# Altium PCB Copy of DIOT_SMA16_.PcbDoc (part 6 of 6)
Units mm, origin at the board's own origin, x right, y up, seen from the top; angles counter-clockwise.
Board outline 222.37 x 100 mm, 6 copper layers (TopLayer, MidLayer1, MidLayer2, Layer 1, Layer 2, Bottom Layer), stack 1.556 mm thick; 432 components, 301 nets, 1783 pads, 831 vias.
Unrouted connection lines stored in the file: 8.
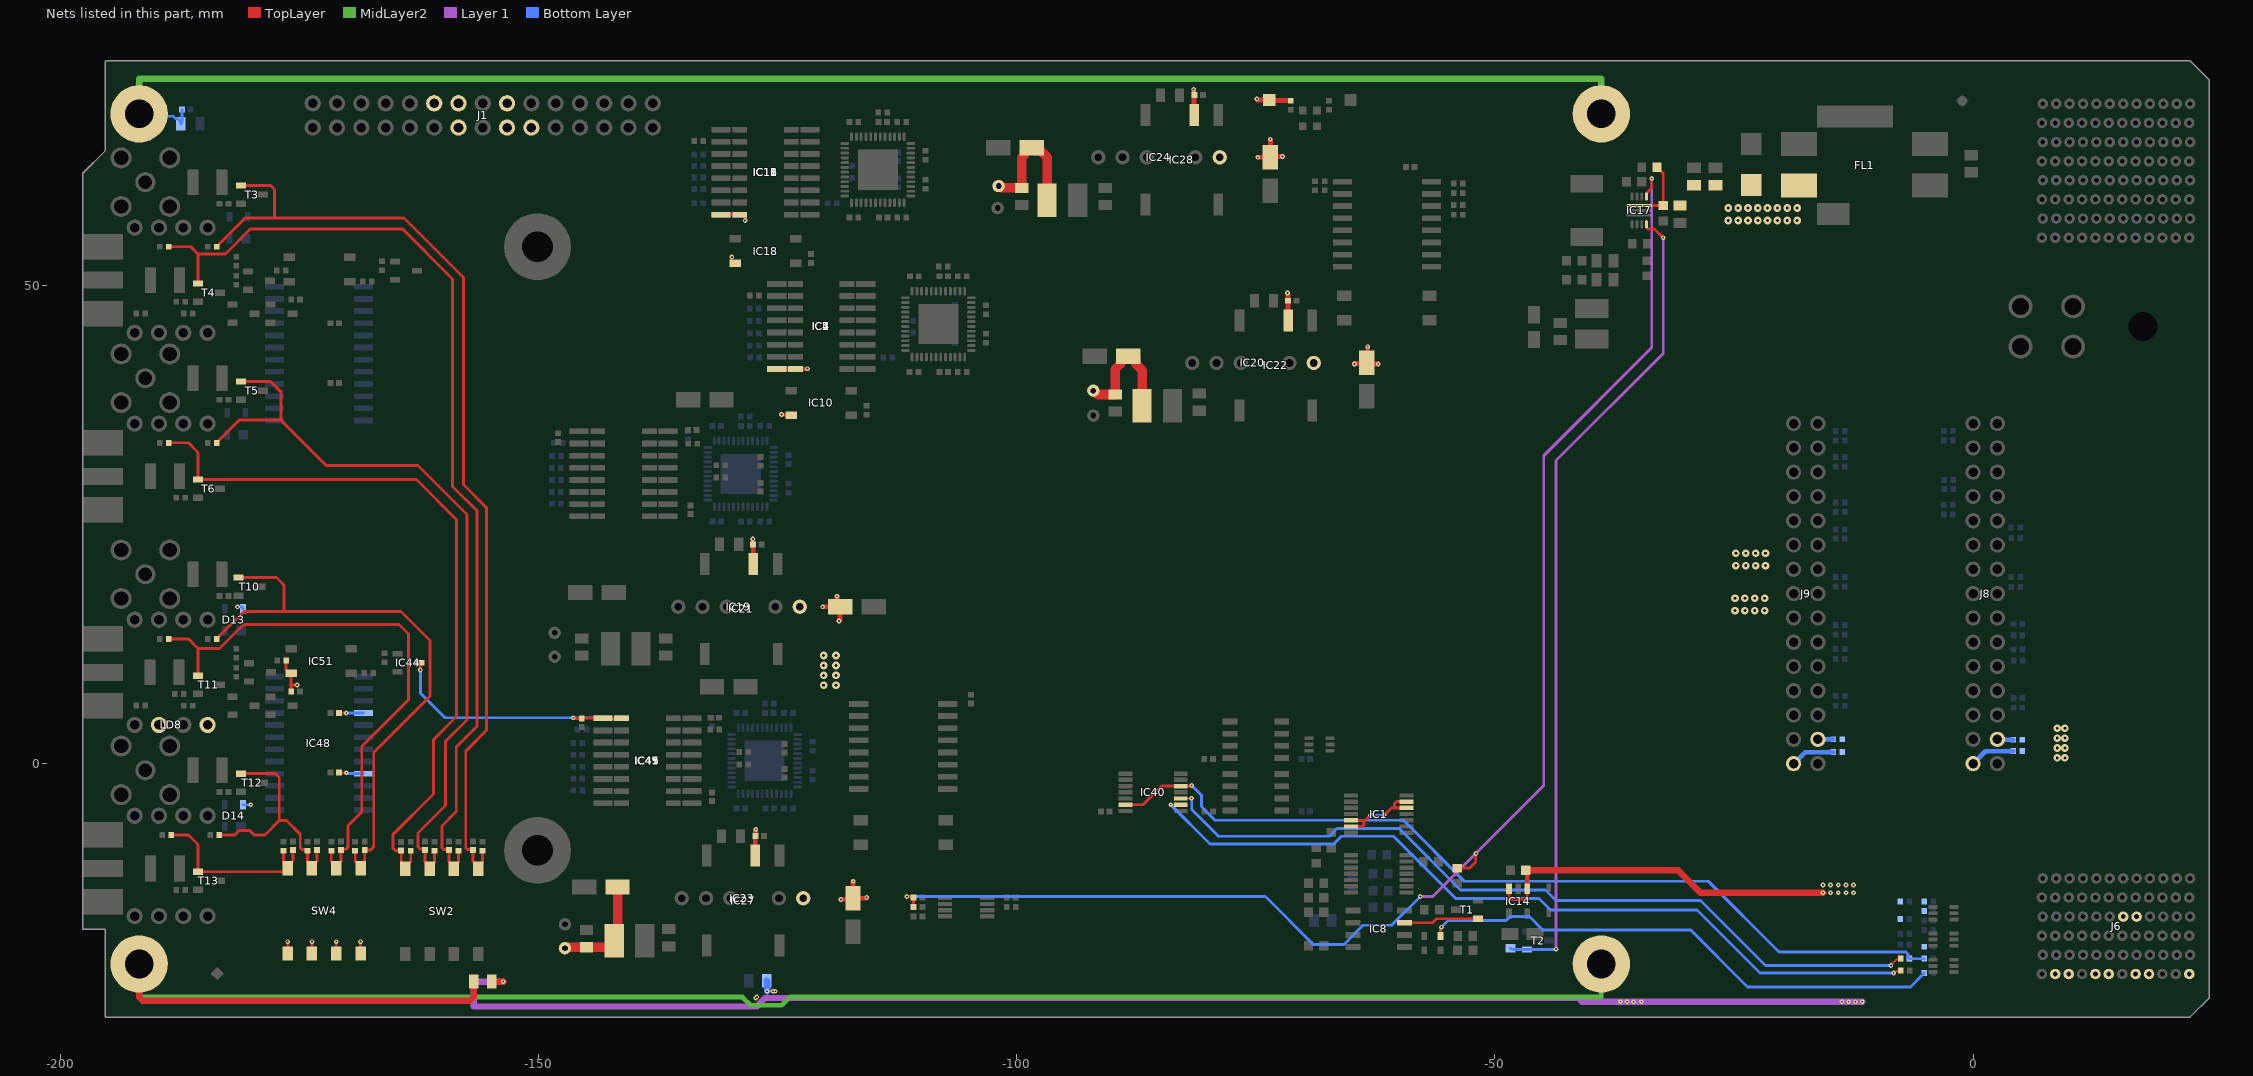
[diagram p10: the nets of this part, all layers, seen from the top]

## Via types
v1: diameter 0.5, hole 0.2, TopLayer to Bottom Layer, tented both sides, 731 vias
v2: diameter 0.8, hole 0.3, TopLayer to Bottom Layer, tented both sides, 100 vias

## Nets (pads, with @x,y where several pads share a name; then routed paths per layer and width w, separated by ;. In a path a pad name is that pad's centre, name@x,y a point inside that pad or via, vN(x,y) a via of type N, cw(c..) or ccw(c..) an arc to the next point about the centre after c; other vN are vias at no path point) (continued)
P5V0_ISO2: B7.1 C55.1 C60.2 C61.2 C62.2 C63.2 C64.1 C65.2 D13.4 D14.4 IC41.1 IC44.3 IC45.1 IC47.16 IC48.16 IC48.21 IC49.16 IC51.6 LD8.2 LD8.4 R189.2 SW4.1 SW4.2 SW4.3 SW4.4 | length 58.3
  TopLayer w0.3: R189.2@-176.403,10.8 -176.403,9.778 -176.08,9.455 IC51.6@-175.88,9.455 -175.88,7.55 C60.2@-175.873,7.55 -175.868,7.555 -175.868,8.23 v1(-175.254,8.23) ; SW4.1@-176.243,-19.85 v1(-176.243,-18.617) ; SW4.2@-173.703,-19.85 v1(-173.703,-18.617) ; SW4.3@-171.163,-19.85 v1(-171.163,-18.617) ; C63.2@-170.873,-0.95 v1(-170.123,-0.95) ; C62.2@-170.873,5.3 v1(-170.123,5.3) ; SW4.4@-168.623,-19.85 v1(-168.623,-18.617) ; IC44.3@-162.473,10.55 -162.407,10.484 -162.407,9.834 v1(-162.373,9.8) ; v1(-146.373,4.8) -146.281,4.708 C61.2@-145.493,4.708 -145.455,4.746 IC45.1@-143.267,4.746 IC41.1@-141.323,4.745
  TopLayer w1: B7.1@-147.25,-19.3 -147.169,-19.3 -147.069,-19.2 C65.2@-145,-19.2 -142.6,-19.2 -142.1,-18.7 C55.1@-142.1,-18.5 -141.75,-18.15 C64.1@-141.75,-12.9
  Bottom Layer w0.3: v1(-181.5,16.4) -181.073,16.4 -180.923,16.25 D13.4@-180.923,16.2 ; D14.4@-180.923,-4.3 v1(-180.1,-4.3) ; v1(-170.123,-0.95) -170.069,-0.95 -169.969,-1.05 IC48.21@-168.323,-1.05 ; v1(-170.123,5.3) IC48.16@-168.323,5.3 ; v1(-162.373,9.8) -162.373,7.373 -159.8,4.8 v1(-146.373,4.8) -143.328,4.8 IC49.16@-143.273,4.745 IC47.16@-141.323,4.745
P5V0_ISO3: B4.1 C35.1 C53.1 C54.2 IC2.1 IC4.1 IC5.16 IC7.16 IC10.6 J1.12 J1.13 J1.14 | length 20.8
  TopLayer w0.3: IC7.16@-125.099,41.272 IC5.16@-123.149,41.272 -121.928,41.272 v1(-121.9,41.3) ; v1(-124.6,36.5) -124.547,36.447 IC10.6@-123.599,36.447
  TopLayer w1: B4.1@-92,39 -91.919,39 -91.519,38.6 C54.2@-89.7,38.6 -89.7,41.25 -89.125,41.825 -89.125,42.3 -88.825,42.6 C53.1@-88.35,42.6 -87.875,42.6 -87.575,42.3 -87.575,41.825 -86.9,41.15 C35.1@-86.9,37.4
  Bottom Layer w0.3: IC4.1@-125.099,41.272 IC2.1@-123.149,41.272 -121.928,41.272 v1(-121.9,41.3)
P5V0_ISO4: B8.1 C56.1 C73.1 C74.2 IC11.1 IC12.1 IC15.16 IC16.16 IC18.6 J1.17 J1.18 J1.19 | length 20.9
  TopLayer w0.3: IC16.16@-130.926,57.405 IC15.16@-128.976,57.405 -128.55,57.405 -128.4,57.255 v1(-128.4,56.8) ; v1(-129.8,53) -129.796,52.996 -129.796,52.58 -129.546,52.33 IC18.6@-129.426,52.33
  TopLayer w1: B8.1@-101.9,60.4 -101.819,60.4 -101.619,60.2 C74.2@-99.5,60.2 -99.5,63.35 -99.225,63.625 -99.225,64.1 -98.925,64.4 C73.1@-98.45,64.4 -98.15,64.1 -97.5,64.1 -96.83,63.43 C56.1@-96.83,58.9
  Bottom Layer w0.3: IC12.1@-130.926,57.405 IC11.1@-128.976,57.405 -128.55,57.405 -128.4,57.255 v1(-128.4,56.8)
P12V0: C36.1 C37.2 C46.1 C47.2 C57.1 C58.2 C66.1 C67.2 C86.2 C87.2 C262.2 C263.2 D10.1 FL1.2 IC17.1 IC19.1 IC20.1 IC21.3 IC22.3 IC23.1 IC24.1 IC27.3 IC28.3 J8.28 J8.29 J9.28 J9.29 R154.1 R224.2 R257.2 R260.2 R261.2 R262.2 TP2.1 | length 52.1
  TopLayer w0.3: IC17.1@-34.9,58.35 C86.2@-32.4,58.35 -32.4,61.7 -32.7,62 -32.75,62 -33.05,62.3 R154.1@-33.05,62.35
  TopLayer w0.5: v1(-127.6,23.5) -127.6,22.947 C58.2@-127.578,22.925 -127.558,22.905 IC21.3@-127.558,20.875 ; IC27.3@-127.353,-9.625 -127.353,-7.605 C37.2@-127.323,-7.575 -127.309,-7.561 -127.309,-6.909 v1(-127.3,-6.9) ; v1(-120.3,16.4) C36.1@-118.45,16.4 ; v1(-118.8,17.5) -118.8,16.75 C36.1@-118.45,16.4 ; v1(-118.6,14.9) -118.5,15 -118.5,16.35 C36.1@-118.45,16.4 ; v1(-118.4,-14.2) -118.38,-14.18 -117.228,-14.18 C57.1@-117.123,-14.075 ; v1(-117.1,-12.3) -117.123,-12.323 C57.1@-117.123,-14.075 ; v1(-115.7,-14) -115.775,-14.075 C57.1@-117.123,-14.075 ; v1(-81.5,70.48) -81.5,70.236 -81.49,70.226 -81.49,69.96 C67.2@-81.43,69.9 -81.46,69.87 IC28.3@-81.46,67.85 ; v1(-74.9,69.5) -74.8,69.4 TP2.1@-73.6,69.4 -73.54,69.34 R224.2@-71.35,69.34 ; v1(-74.8,63.4) C66.1@-73.48,63.4 ; v1(-73.5,65.3) -73.48,65.28 C66.1@-73.48,63.4 ; v1(-72.2,63.5) -72.223,63.477 -73.403,63.477 C66.1@-73.48,63.4 ; v1(-71.7,49.2) -71.65,49.15 C47.2@-71.65,48.4 -71.63,48.38 IC22.3@-71.63,46.35 ; v1(-64.7,41.8) -64.657,41.843 -63.457,41.843 C46.1@-63.4,41.9 ; v1(-63.3,43.6) -63.3,42 C46.1@-63.4,41.9 ; v1(-62.2,41.8) -63.3,41.8 C46.1@-63.4,41.9
  Bottom Layer w0.5: J9.29@-18.77,-0.001 -17.569,1.2 R261.2@-14.6,1.2 ; J9.28@-16.23,2.539 -16.219,2.55 R262.2@-14.623,2.55 ; J8.29@0,0 1.3,1.3 R260.2@4.2,1.3 ; J8.28@2.54,2.54 2.58,2.5 R257.2@4.2,2.5
  other v2: -120.2,8.2 -118.9,8.2 -120.2,9.233 -118.9,9.233 -120.2,10.267 -118.9,10.267 -120.2,11.3 -118.9,11.3 -24.9,16 -23.867,16 -22.833,16 -21.8,16 -24.9,17.3 -23.867,17.3 -22.833,17.3 -21.8,17.3 -24.8,20.7 -23.767,20.7 -22.733,20.7 -21.7,20.7 -24.8,22 -23.767,22 -22.733,22 -21.7,22 -25.6,56.8 -24.567,56.8 -23.533,56.8 -22.5,56.8 -21.5,56.8 -20.467,56.8 -19.433,56.8 -18.4,56.8 -25.6,58.1 -24.567,58.1 -23.533,58.1 -22.5,58.1 -21.5,58.1 -20.467,58.1 -19.433,58.1 -18.4,58.1
P12V0_DIOT: C40.2 IC14.1 IC14.3 J6.A1 J6.D1 J6.E1 J6.G1 J6.H1 J6.J1 J6.K1 R257.1 R260.1 R261.1 R262.1 | length 37.9
  TopLayer w0.3: IC14.3@-48.525,-13.102 -48.525,-13.975 -48.3,-14.2 -46.801,-14.2 -46.625,-14.024 IC14.1@-46.625,-13.102
  TopLayer w0.5: C40.2@-46.775,-11.152 -46.625,-11.302 IC14.1@-46.625,-13.102
  TopLayer w0.7: C40.2@-46.775,-11.152 -30.848,-11.152 -28.5,-13.5 v1(-15.7,-13.5)
  other v1: -14.9,-13.5 -14.1,-13.5 -13.3,-13.5 -12.5,-13.5 -15.7,-12.7 -14.9,-12.7 -14.1,-12.7 -13.3,-12.7 -12.5,-12.7
  other v2: 8.8,0.6 9.6,0.6 8.8,1.633 9.6,1.633 8.8,2.667 9.6,2.667 8.8,3.7 9.6,3.7
PE_CLK_N: J6.F4
PE_CLK_P: J6.E4
PGOOD: IC17.7 R40.1 T2.1 | length 86.4
  TopLayer w0.3: IC17.7@-34.15,56.4 -34.15,56.076 -33.974,55.9 -33.3,55.9 v1(-32.4,55)
  Layer 1 w0.3: v1(-43.6,-19.4) -43.6,-13.035 -43.62,-13.015 -43.62,-12.585 -43.6,-12.565 -43.6,31.7 -32.4,42.9 v1(-32.4,55)
  Bottom Layer w0.3: R40.1@-48.375,-19.3 -48.225,-19.45 -43.704,-19.45 -43.654,-19.4 v1(-43.6,-19.4)
PSU_EN: IC17.8 R33.2 R187.1 R188.2 | length 150.7
  TopLayer w0.3: v1(-111.5,-13.9) -111.494,-13.906 -110.894,-13.906 R188.2@-110.8,-14 R187.1@-110.8,-15 ; R33.2@-53.95,-10.925 -52.625,-10.925 -52,-10.3 v1(-52,-9.4) ; IC17.8@-34.15,59.3 -34.15,59.65 -33.6,60.2 v1(-33.6,61.2)
  Layer 1 w0.3: v1(-57.8,-13.9) -56.5,-13.9 -44.9,-2.3 -44.9,32.2 -33.6,43.5 v1(-33.6,61.2)
  Bottom Layer w0.3: v1(-111.5,-13.9) -74,-13.9 -69,-18.9 -65.8,-18.9 -63.8,-16.9 -60.8,-16.9 v1(-57.8,-13.9)
RST: IC8.3 T1.1 | length 7.9
  TopLayer w0.3: IC8.3@-59.45,-16.64 -56.54,-16.64 -56.125,-16.225 T1.1@-51.75,-16.225
RSTn: D1.1 R133.1 | length 55.6
  TopLayer w0.3: D1.1@-55.7,-18.025 -55.7,-17.254 -55.6,-17.154 v1(-55.6,-17.1)
  Bottom Layer w0.3: v1(-55.6,-17.1) -54.9,-16.4 -48.8,-16.4 -48.4,-16 -46.4,-16 -45,-17.4 -29.527,-17.4 -23.574,-23.353 -6.553,-23.353 -5.26,-22.06 -5.24,-22.06 -5.1,-21.92 R133.1@-5.1,-21.9
SERVMOD: IC1.5 IC1.6 IC1.12 IC1.13 | length 10
  TopLayer w0.3: IC1.13@-65.05,-6.575 -63.875,-6.575 -63.7,-6.4 -63.7,-5.925 ; IC1.12@-65.05,-5.925 -63.7,-5.925 ; v1(-63,-5.4) -63.525,-5.925 -63.7,-5.925 ; v1(-61.6,-5.4) -60.825,-4.625 -60.5,-4.625 ; IC1.5@-59.25,-4.625 -60.5,-4.625 ; IC1.6@-59.25,-3.975 -60.275,-3.975 -60.5,-4.2 -60.5,-4.625
  Bottom Layer w0.3: v1(-63,-5.4) v1(-61.6,-5.4)
SERVMOD_3V3: IC40.5 IC40.13 R1.2 R138.1 | length 92.8
  TopLayer w0.3: IC40.13@-88.65,-4.3 -86.8,-4.3 -84.85,-2.35 IC40.5@-82.85,-2.35 -81.75,-2.35 v1(-81.7,-2.3)
  Bottom Layer w0.3: v1(-81.7,-2.3) -80.7,-3.3 -80.7,-4.5 -79.275,-5.925 -59.575,-5.925 -53.2,-12.3 -27.7,-12.3 -20.312,-19.688 -7.012,-19.688 -6.798,-19.902 -6.798,-20.262 R1.2@-6.66,-20.4 R138.1@-5.1,-20.4
SHARED_BUS_0: R137.1
SHARED_BUS_1: R139.1
SHARED_BUS_2: R135.1
SHARED_BUS_3: R132.1
SHARED_BUS_4: R134.1
STRIP1: C212.1 M1.1 M2.1 M3.1 M4.1 R120.2 R126.1 | length 367.4
  TopLayer w0.66: M4.1@-191.773,-20.95 -191.773,-24.413 -191.386,-24.8 -157.187,-24.8 -156.8,-24.413 R120.2@-156.8,-22.8
  MidLayer2 w0.5: M4.1@-191.773,-20.95 -191.773,-24.407 -128.693,-24.407 -127.83,-25.27 -124.57,-25.27 -123.7,-24.4 -38.873,-24.4 M1.1@-38.873,-20.95
  MidLayer2 w0.7: M3.1@-191.773,67.95 -191.773,71.623 -38.873,71.623 M2.1@-38.873,67.95
  Bottom Layer w0.3: M3.1@-191.773,67.95 -191.523,67.7 -188.225,67.7 -187.975,67.45 -187.75,67.45 -187.425,67.125 R126.1@-187.425,66.9 ; R126.1@-187.3,67.025 C212.1@-187.3,68.4
STRIP2: R119.1 | length 1.1
  Bottom Layer w0.7: R119.1@-126.15,-22.7 -126.1,-22.75 v1(-126.1,-23.8)
  other v1: -127.295,-24.505 -127.185,-24.395 -125.5,-23.8 -125.253,-23.8
STRIP3: R120.1 | length 152.6
  TopLayer w0.66: R120.1@-154.9,-22.8 v1(-153.7,-22.8)
  Layer 1 w0.66: v1(-153.7,-22.8) -156.8,-22.8 -156.8,-25.4 -127.2,-25.4 -126.3,-24.5 -41.3,-24.5 -40.9,-24.9 v1(-36.9,-24.9) v1(-36.2,-24.9) v1(-35.5,-24.9) v1(-12.3,-24.9) v1(-11.6,-24.9)
  other v1: -34.7,-24.9 -13.7,-24.9 -13,-24.9
Switch_I2C.SCL: IC40.2 R77.2 | length 85.5
  TopLayer w0.15: v1(-83.9,-4.3) IC40.2@-82.85,-4.3
  TopLayer w0.2: v1(-8.3,-21.9) -8.237,-21.9 -8.037,-21.7 -7.59,-21.7 R77.2@-7.54,-21.65
  Bottom Layer w0.3: v1(-83.9,-4.3) -79.8,-8.4 -66.847,-8.4 -66.047,-7.6 -60.6,-7.6 -54.1,-14.1 -45.4,-14.1 -44.2,-15.3 -28.868,-15.3 -22.268,-21.9 v1(-8.3,-21.9)
Switch_I2C.SDA: IC40.3 R3.2 | length 84.2
  TopLayer w0.15: IC40.3@-82.85,-3.65 -81.75,-3.65 v1(-81.718,-3.618)
  TopLayer w0.2: v1(-8.6,-21.1) -7.967,-20.467 -7.607,-20.467 R3.2@-7.54,-20.4
  Bottom Layer w0.3: v1(-81.718,-3.618) -81.7,-3.635 -81.7,-4.8 -78.9,-7.6 -67.3,-7.6 -66.5,-6.8 -60,-6.8 -53.6,-13.2 -44.7,-13.2 -43.6,-14.3 -28.5,-14.3 -21.7,-21.1 v1(-8.6,-21.1)
TERM_IO0: C75.2 R83.1 R96.1 SW2.5 T3.1 | length 103
  TopLayer w0.3: R83.1@-183.683,54.05 -180.683,57.05 -177.623,57.05 ; T3.1@-181.123,60.45 -178.023,60.45 -177.623,60.05 -177.623,57.05 ; R96.1@-155.873,-9.09 -155.873,-10.224 -155.913,-10.264 -155.913,-10.6 SW2.5@-156.313,-11 -156.313,-10.8 -156.873,-10.24 C75.2@-156.873,-9.05 -156.932,-8.991 -157.447,-8.991 -157.623,-8.815 -157.623,1.3 -155.439,3.484 -155.439,26.756 -157.875,29.192 -157.875,50.845 -164.08,57.05 -177.623,57.05
TERM_IO1: C76.2 R84.1 R95.1 SW2.6 T4.1 | length 103.3
  TopLayer w0.3: R84.1@-188.683,54.05 -186.373,54.05 -185.623,53.3 ; T4.1@-185.623,50.2 -185.623,53.3 ; SW2.6@-158.853,-11 SW2.6@-158.853,-10.8 ; R95.1@-158.373,-9.09 -158.373,-10.32 SW2.6@-158.853,-10.8 ; -185.623,53.3 -182.748,53.3 -180.123,55.925 -164.248,55.925 -158.998,50.675 -158.998,28.993 -156.457,26.452 -156.457,3.905 -158.621,1.741 -158.621,-5.015 -160.123,-6.517 -160.123,-8.815 -159.947,-8.991 -159.432,-8.991 C76.2@-159.373,-9.05 -159.373,-10.28 SW2.6@-158.853,-10.8
TERM_IO2: C77.2 R86.1 R94.1 SW2.7 T5.1 | length 80.7
  TopLayer w0.3: R86.1@-183.683,33.55 -181.308,35.925 -176.961,35.925 ; T5.1@-181.123,39.95 -178.023,39.95 -176.961,38.888 -176.961,35.925 ; SW2.7@-161.393,-11 SW2.7@-161.393,-10.8 ; R94.1@-160.873,-9.09 -160.873,-10.28 SW2.7@-161.393,-10.8 ; -176.961,35.925 -172.211,31.175 -162.623,31.175 -157.498,26.05 -157.498,4.575 -159.738,2.335 -159.738,-4.383 -162.623,-7.268 -162.623,-8.7 -162.401,-8.922 -162.001,-8.922 C77.2@-161.873,-9.05 -161.873,-10.32 SW2.7@-161.393,-10.8
TERM_IO3: C78.2 R89.1 R93.1 SW2.8 T6.1 | length 77.4
  TopLayer w0.3: R89.1@-188.683,33.55 -186.623,33.55 -185.623,32.55 T6.1@-185.623,29.7 -162.773,29.7 -158.578,25.505 -158.578,4.923 -160.997,2.504 -160.997,-3.187 -165.248,-7.438 -165.248,-8.825 -164.973,-9.1 C78.2@-164.373,-9.1 -164.373,-10.224 -164.333,-10.264 -164.333,-10.6 SW2.8@-163.933,-11 -163.933,-10.8 -163.373,-10.24 R93.1@-163.373,-9.09
TERM_IO4: C96.2 R160.1 R196.1 SW4.5 T10.1 | length 62.1
  TopLayer w0.3: R160.1@-183.683,13.05 -180.808,15.925 -176.623,15.925 ; T10.1@-181.373,19.45 -177.398,19.45 -176.623,18.675 -176.623,15.925 ; R196.1@-169.343,-8.93 -169.343,-8.95 -169.203,-9.09 R196.1@-169.183,-9.09 -169.183,-10.19 -168.623,-10.75 SW4.5@-168.623,-10.95 -168.223,-10.55 -168.223,-10.214 -168.183,-10.174 C96.2@-168.183,-9.05 -167.598,-9.05 -167.248,-8.7 -167.248,1.167 -161.366,7.049 -161.366,12.882 -164.409,15.925 -176.623,15.925
TERM_IO5: C97.2 R166.1 R195.1 SW4.6 T11.1 | length 59.7
  TopLayer w0.3: R166.1@-188.683,13.05 -186.623,13.05 -185.623,12.05 ; T11.1@-185.623,9.2 -185.623,12.05 ; R195.1@-171.823,-8.95 R195.1@-171.683,-9.09 -171.683,-10.23 SW4.6@-171.163,-10.75 ; SW4.6@-171.163,-10.95 SW4.6@-171.163,-10.75 ; -185.623,12.05 -183.373,12.05 -180.873,14.55 -164.616,14.55 -163.614,13.548 -163.614,6.673 -168.498,1.789 -168.498,-5.075 -169.954,-6.531 -169.954,-8.776 -170.129,-8.952 -170.585,-8.952 C97.2@-170.683,-9.05 -170.683,-10.27 SW4.6@-171.163,-10.75
TERM_IO6: C98.2 R179.1 R192.1 SW4.7 T12.1 | length 25
  TopLayer w0.3: R179.1@-183.403,-7.45 -181.785,-7.45 -181.315,-6.98 -180.204,-6.98 -179.734,-7.45 -178.623,-7.45 -177.123,-5.95 ; T12.1@-181.123,-1.05 -177.523,-1.05 -177.123,-1.45 -177.123,-5.95 ; SW4.7@-173.703,-10.95 SW4.7@-173.703,-10.75 ; C98.2@-173.183,-9.05 -173.183,-10.23 SW4.7@-173.703,-10.75 ; -177.123,-5.95 -176.373,-5.95 -174.933,-7.39 -174.933,-8.792 -174.757,-8.968 -174.305,-8.968 R192.1@-174.183,-9.09 -174.183,-10.27 SW4.7@-173.703,-10.75
TERM_IO7: C99.2 R182.1 R191.1 SW4.8 T13.1 | length 19.8
  TopLayer w0.3: R182.1@-188.433,-7.45 -186.623,-7.45 -185.623,-8.45 T13.1@-185.623,-11.3 -176.593,-11.3 SW4.8@-176.243,-10.95 ; R191.1@-176.683,-9.09 -176.683,-10.174 -176.643,-10.214 -176.643,-10.55 SW4.8@-176.243,-10.95 ; C99.2@-175.683,-9.05 -175.683,-10.19 -176.243,-10.75 SW4.8@-176.243,-10.95
pads on no net: D5.5 D6.5 D8.5 FTG1.FTG2 FTG2.1 FTG3.1 FTG4.1 IC2.7 IC3.17 IC3.44 IC4.7 IC5.7 IC5.15 IC7.7 IC9.13 IC11.7 IC12.7 IC13.17 IC13.44 IC14.4 IC15.7 IC15.15 IC16.7 IC16.14 IC19.5 IC20.5 IC21.14 IC22.14 IC23.5 IC24.5 IC25.7 IC26.7 IC27.14 IC28.14 IC31.7 IC32.17 IC32.44 IC34.7 IC36.7 IC37.7 IC38.13 IC41.7 IC42.1 IC42.2 IC42.3 IC42.7 IC43.1 IC43.2 IC43.3 IC43.7 IC45.7 IC46.17 IC46.44 IC47.7 IC49.7 J6.B1 J6.L2 J7.A3 J7.A5 J7.A7 J7.A8 J7.B2 J7.B3 J7.B4 J7.B5 J7.B6 J7.B7 J7.B8 J7.C2 J7.C4 J7.C6 J7.C8 J7.D3 J7.D5 J7.D7 J7.D8 J7.E2 J7.E3 J7.E4 J7.E5 J7.E6 J7.E7 J7.E8 J7.F2 J7.F4 J7.F6 J7.F8 J7.G3 J7.G5 J7.G7 J7.H2 J7.H3 J7.H4 J7.H5 J7.H6 J7.H7 J7.H8 J7.I2 J7.I4 J7.I6 J7.I8 J7.J3 J7.J5 J7.J7 J7.K2 J7.K3 J7.K4 J7.K5 J7.K6 J7.K7 J7.K8 J7.L2 J7.L4 J7.L6 J7.L8 J10.5 LD11.1 LD11.2
copper on no net:
  other v1: -118.401,57.6

## Polygon pours and split planes (outlines as drawn)
P3V3_MP on TopLayer "P3V3_MP_L01_P322" (solid, remove dead copper, pour order 322): -36.3,-5.1 -36.4,-5.2 -36.4,-6.4 -36.3,-6.5 -33.4,-6.5 -33.3,-6.4 -33.3,-5.2 -33.4,-5.1
P3V3_MP on TopLayer "P3V3_MP_L01_P320" (solid, remove dead copper, pour order 320): -36.3,36.9 -36.4,36.8 -36.4,35.6 -36.3,35.5 -33.4,35.5 -33.3,35.6 -33.3,36.8 -33.4,36.9
GND on TopLayer "TopLayer-GND" (solid, remove dead copper, pour order 318): -38.3,50 -37.7,49.4 -35.9,49.4 -34.8,50.5 -34.8,54.7 -35.4,55.3 -35.4,56.9 -35.3,57 -33.7,57 -28.9,52.2 -15.2,52.2 -11.9,55.5 -11.9,58.8 -14.2,61.1 -14.2,64.9 -13.5,65.6 -8.8,65.6 -8.2,66.2 -8.2,69.1 -9,69.9 -32,69.9 -37,64.9 -46.4,64.9 -47.6,63.7 -47.6,46.2 -47.2,45.8 -45.1,45.8 -44.7,45.4 -42.5,45.4 -42.3,45.6 -42.3,49.5 -41.9,49.9 -41.9,53.3 -42.4,53.8 -43.6,53.8 -44.1,54.3 -44.1,62.4 -43.7,62.8 -37.6,62.8 -36.7,61.9 -36.7,61.5 -35.8,61.5 -35.8,62.9 -35.1,63.6 -31.4,63.6 -31.4,61.9 -31.1,61.6 -25.8,61.6 -24.6,62.8 -16.1,62.8 -15.9,62.6 -15.9,59.3 -17.2,58 -17.2,56 -18.3,54.9 -26.1,54.9 -28.8,57.6 -36.7,57.6 -37,57.3 -37,55 -38.3,53.7
P12V0 on TopLayer "TopLayer-P12V0" (solid, remove dead copper, pour order 316): -33.5,58.2 -33.1,57.8 -28,57.8 -25.8,55.6 -18.6,55.6 -17.9,56.3 -17.9,58.5 -17.2,59.2 -16.3,59.2 -16.3,61.7 -16.6,62 -24.5,62 -25.4,61.1 -32.8,61.1 -33.2,60.7 -33.2,58.8 -33.3,58.7 -36.1,58.7 -36.3,58.5 -36.3,58.3 -36.2,58.2
P12V0 on TopLayer "P12V0_L01_P313" (solid, remove dead copper, pour order 313): -123,-15.9 -123.7,-15.2 -123.7,-13.5 -124.4,-12.8 -127.3,-12.8 -128,-12.1 -128,-8.5 -127.8,-8.3 -126.8,-8.3 -126.6,-8.5 -126.6,-11.2 -126.1,-11.7 -115.6,-11.7 -115,-12.3 -115,-15.3 -115.6,-15.9
P12V0 on TopLayer "P12V0_L01_P312" (solid, remove dead copper, pour order 312): -116.7,15.1 -117.5,14.3 -123.3,14.3 -123.9,14.9 -123.9,17.1 -124.6,17.8 -127.5,17.8 -128.3,18.6 -128.3,22 -128.1,22.2 -127.1,22.2 -126.8,21.9 -126.8,19.4 -126.3,18.9 -117.2,18.9 -116.7,18.4
P12V0 on TopLayer "P12V0_L01_P311" (solid, remove dead copper, pour order 311): -62.37,40.1 -69.47,40.1 -70.17,40.8 -70.17,42.4 -72.37,44.6 -72.37,47.5 -72.07,47.8 -71.07,47.8 -70.87,47.6 -70.87,44.6 -70.47,44.2 -62.17,44.2 -61.77,43.8 -61.77,40.7
P12V0 on TopLayer "P12V0_L01_P310" (solid, remove dead copper, pour order 310): -72.2,61.6 -79.3,61.6 -80,62.3 -80,63.9 -82.2,66.1 -82.2,69 -81.9,69.3 -80.9,69.3 -80.7,69.1 -80.7,66.1 -80.3,65.7 -72,65.7 -71.6,65.3 -71.6,62.2
P3V3 on TopLayer "P3V3_L01_P283" (solid, remove dead copper, pour order 283): -38,45.6 -41.6,45.6 -42.1,45.1 -44.8,45.1 -45.1,45.4 -50.8,45.4 -51.4,44.8 -51.4,40.8 -51,40.4 -39.5,40.4 -37.6,42.3 -37.6,45.2
P12V0_DIOT on TopLayer "P12V0_DIOT_L01_P266" (solid, remove dead copper, pour order 266): 8.5,0.1 9.7,0.1 10,0.4 10,3.9 9.8,4.1 8.4,4.1 8.3,4 8.3,0.3
NetC34_2 on TopLayer "NETC34_2_L01_P264" (solid, remove dead copper, pour order 264): -131.567,10.175 -131.967,9.775 -133.567,9.775 -134.067,10.275 -134.067,12.075 -134.467,12.475 -137.567,12.475 -137.767,12.275 -137.767,9.975 -138.067,9.675 -140.467,9.675 -140.867,10.075 -140.867,14.275 -137.467,17.675 -134.567,17.675 -134.167,17.275 -134.167,15.275 -133.567,14.675 -131.967,14.675 -131.567,14.275
NetC55_2 on TopLayer "NETC55_2_L01_P263" (solid, remove dead copper, pour order 263): -131.2,-20.3 -131.6,-20.7 -133.2,-20.7 -133.7,-20.2 -133.7,-18.4 -134.1,-18 -137.2,-18 -137.4,-18.2 -137.4,-20.5 -137.7,-20.8 -140.1,-20.8 -140.5,-20.4 -140.5,-16.2 -137.1,-12.8 -134.2,-12.8 -133.8,-13.2 -133.8,-15.2 -133.2,-15.8 -131.6,-15.8 -131.2,-16.2
3V3 on TopLayer "3V3_L01_P262" (solid, remove dead copper, pour order 262): -42.2,56.6 -38.4,56.6 -37.8,56 -37.8,54.6 -38.7,53.7 -38.7,50 -37.6,48.9 -37.6,46.6 -37.9,46.3 -41.8,46.3 -42.1,46.6 -42.1,49.1 -41.6,49.6 -41.6,53.3 -42.7,54.4 -42.7,56.1
NetC56_2 on TopLayer "NETC56_2_L01_P260" (solid, remove dead copper, pour order 260): -85.23,57.2 -85.73,56.7 -87.73,56.7 -88.03,57 -88.03,58.7 -88.83,59.5 -91.63,59.5 -91.93,59.2 -91.93,56.97 -92.5,56.4 -94.7,56.4 -95.2,56.9 -95.2,63.93 -94.03,65.1 -90.93,65.1 -90.2,64.37 -90.2,62.4 -89.7,61.9 -85.73,61.9 -85.23,61.4
NetC35_2 on TopLayer "NETC35_2_L01_P259" (solid, remove dead copper, pour order 259): -75.4,35.7 -75.9,35.2 -77.9,35.2 -78.2,35.5 -78.2,37.2 -79,38 -81.8,38 -82.1,37.7 -82.1,35.4 -82.5,35 -84.9,35 -85.3,35.4 -85.3,42.5 -84.2,43.6 -81.1,43.6 -80.3,42.8 -80.3,40.8 -79.9,40.4 -75.9,40.4 -75.4,39.9
NetIC17_2 on TopLayer "NETIC17_2_L01_P258" (solid, remove dead copper, pour order 258): -42.4,62.4 -38,62.4 -37.4,61.8 -37.4,59 -36.3,57.9 -36.5,57.7 -38.3,57.7 -39.5,58.9 -42.4,58.9 -42.9,59.4 -42.9,61.9
P12V0 on TopLayer "P12V0_L01_P255" (solid, remove dead copper, pour order 255): -25.1,22.6 -25.5,22.2 -25.5,20.5 -25.2,20.2 -21.3,20.2 -21.1,20.4 -21.1,22.2 -21.5,22.6
P12V0 on TopLayer "P12V0_L01_P254" (solid, remove dead copper, pour order 254): -25.2,17.9 -25.6,17.5 -25.6,15.8 -25.3,15.5 -21.4,15.5 -21.2,15.7 -21.2,17.5 -21.6,17.9
NetC264_1 on TopLayer "NETC264_1_L01_P249" (solid, remove dead copper, pour order 249): -6.4,62.85 3.6,62.85 4.1,63.35 4.1,66.95 3.6,67.45 -6.8,67.45 -7.2,67.05 -7.2,63.65
NetC264_2 on TopLayer "NETC264_2_L01_P248" (solid, remove dead copper, pour order 248): -6.4,62.4 3.6,62.4 4.1,61.9 4.1,58.3 3.6,57.8 -6.8,57.8 -7.2,58.2 -7.2,61.6
P12V0_DIOT on TopLayer "P12V0_DIOT_L01_P239" (solid, remove dead copper, pour order 239): -12.4,-14.1 -11.9,-13.6 -11.9,-12.2 -12.3,-11.8 -27.9,-11.8 -30,-9.7 -46,-9.7 -46.775,-10.475 -46.775,-11.152 -46.625,-11.302 -46.625,-12.202 -46.002,-12.202 -45.6,-11.8 -31.7,-11.8 -29.4,-14.1
no net on TopLayer "NONET_L01_P236" (solid, remove dead copper, pour order 236): 6.658,26.2 6.658,20.275 24.433,20.275 24.433,26.2
STRIP1 on TopLayer "esd1" (solid, pour order 171): -194.525,-19.425 -187.4,-19.425 -187.4,-23.95 -154.775,-23.95 -154.775,-25.45 -194.525,-25.45
STRIP2 on TopLayer "esd1" (solid, pour order 173): -111.842,-25.5 -94.775,-25.5 -94.775,-24.231 -149.775,-24.231 -149.775,-25.5
STRIP3 on TopLayer "STRIP3_L01_P172" (solid, pour order 172): 22.758,-25.5 22.775,-25.5 24.015,-24.26 -74.775,-24.26 -74.775,-25.5
P3V3_MP on Bottom Layer "P3V3_MP_L06_P321" (solid, remove dead copper, pour order 321): -36.3,-5.1 -36.4,-5.2 -36.4,-6.4 -36.3,-6.5 -33.4,-6.5 -33.3,-6.4 -33.3,-5.2 -33.4,-5.1
P3V3_MP on Bottom Layer "P3V3_MP_L06_P319" (solid, remove dead copper, pour order 319): -36.3,36.9 -36.4,36.8 -36.4,35.6 -36.3,35.5 -33.4,35.5 -33.3,35.6 -33.3,36.8 -33.4,36.9
P3V3 on Bottom Layer "P3V3_L06_P300" (solid, remove dead copper, pour order 300): -51.2,44.6 -51.2,41.2 -50.7,40.7 -47.6,40.7 -47.1,41.2 -47.1,44.6 -47.6,45.1 -50.7,45.1
P12V0 on Bottom Layer "P12V0_L06_P282" (solid, remove dead copper, pour order 282): -118.5,11.5 -118.5,8 -118.7,7.8 -120.4,7.8 -120.6,8 -120.6,11.5 -120.4,11.7 -118.7,11.7
P12V0 on Bottom Layer "P12V0_L06_P281" (solid, remove dead copper, pour order 281): -18.2,56.4 -21.7,56.4 -21.9,56.6 -21.9,58.3 -21.7,58.5 -18.2,58.5 -18,58.3 -18,56.6
P12V0 on Bottom Layer "P12V0_L06_P280" (solid, remove dead copper, pour order 280): -22.3,56.4 -25.8,56.4 -26,56.6 -26,58.3 -25.8,58.5 -22.3,58.5 -22.1,58.3 -22.1,56.6
NetC264_1 on Bottom Layer "NETC264_1_L06_P279" (solid, remove dead copper, pour order 279): 1.3,63.3 1.3,66.8 1.5,67 3.2,67 3.4,66.8 3.4,63.3 3.2,63.1 1.5,63.1
NetC264_2 on Bottom Layer "NETC264_2_L06_P278" (solid, remove dead copper, pour order 278): 1.3,58.4 1.3,61.9 1.5,62.1 3.2,62.1 3.4,61.9 3.4,58.4 3.2,58.2 1.5,58.2
P12V0 on Bottom Layer "P12V0_L06_P277" (solid, remove dead copper, pour order 277): -25,22.4 -21.5,22.4 -21.3,22.2 -21.3,20.5 -21.5,20.3 -25,20.3 -25.2,20.5 -25.2,22.2
P12V0 on Bottom Layer "P12V0_L06_P276" (solid, remove dead copper, pour order 276): -25.1,17.7 -21.6,17.7 -21.4,17.5 -21.4,15.8 -21.6,15.6 -25.1,15.6 -25.3,15.8 -25.3,17.5
P12V0_DIOT on Bottom Layer "P12V0_DIOT_L06_P238" (solid, remove dead copper, pour order 238): 4.8,0.4 5.1,0.1 9.8,0.1 10.1,0.4 10.1,3.8 9.4,4.5 5,4.5 4.8,4.3
P12V0_DIOT on Bottom Layer "P12V0_DIOT_L06_P237" (solid, remove dead copper, pour order 237): -14,-0.3 -16.7,-3 -16.7,-13.6 -16.2,-14.1 -12.4,-14.1 -11.9,-13.6 -11.9,3.4 -12.3,3.8 -13.6,3.8 -14,3.4
no net on Bottom Layer "NONET_L06_P234" (solid, remove dead copper, pour order 234): 6.658,26.2 6.658,20.275 24.433,20.275 24.433,26.2
STRIP3 on Bottom Layer "STRIP3_L06_P175" (solid, pour order 175): 22.758,-25.5 22.775,-25.5 24.015,-24.26 -74.775,-24.26 -74.775,-25.5
STRIP2 on Bottom Layer "esd1" (solid, pour order 176): -111.842,-25.5 -94.775,-25.5 -94.775,-24.231 -150.4,-24.231 -150.4,-25.5
STRIP1 on Bottom Layer "esd1" (solid, pour order 147): -194.525,-20.01 -187.4,-20.01 -187.4,-23.95 -154.775,-23.95 -154.775,-25.45 -194.525,-25.45
P3V3_MP on Layer 1 "Layer 1-P3V3_MP" (solid, remove dead copper, pour order 308): -36.2,-6.7 -32.8,-6.7 -32.4,-6.3 -32.4,-3.8 -34.5,-1.7 -34.5,33.6 -32.9,35.2 -32.9,37.3 -33.4,37.8 -35.7,37.8 -36.6,36.9 -36.6,-6.3
P3V3 on Layer 1 "Layer 1-P3V3" (solid, remove dead copper, pour order 298): -137.6,-21.5 -136.3,-22.8 -68.2,-22.8 -45.8,-0.4 -45.8,40.3 -45.5,40.6 -45.5,45 -47.2,46.7 -50.1,46.7 -51.2,45.6 -51.2,2.2 -53,0.4 -61.2,0.4 -104.5,43.7 -104.5,67.3 -107.5,70.3 -124.2,70.3 -124.9,69.6 -124.9,52.8 -124,51.9 -119.8,51.9 -119,51.1 -119,41.3 -120,40.3 -138.9,40.3 -139.9,39.3 -139.9,25.3 -138.9,24.3 -125.7,24.3 -125.3,24.7 -125.3,27.6 -124.8,28.1 -123.6,28.1 -110,14.5 -110,-16.8 -111.8,-18.6 -125.1,-18.6 -128.8,-14.9 -128.8,-7 -128,-6.2 -122.9,-6.2 -121.3,-4.6 -121.3,8.1 -122.8,9.6 -136.6,9.6 -137.6,8.6
GND_ISO1 on Layer 1 "GND_ISO1_L04_P275" (solid, remove dead copper, pour order 275): -155.3,-7.6 -155.9,-8.2 -164.6,-8.2 -165.3,-7.5 -165.3,0.5 -160.4,5.4 -160.4,18.6 -166.6,24.8 -195.7,24.8 -196.4,25.5 -196.4,60.603 -193.663,63.34 -176.24,63.34 -171.1,58.2 -162.8,58.2 -160,55.4 -157.5,55.4 -155,52.9 -155,44.9 -150.7,40.6 -145.9,40.6 -142.4,37.1 -142.4,24.5 -141.7,23.8 -130.6,23.8 -130.2,23.4 -130.2,19.2 -128.7,17.7 -128.7,13.3 -131.7,10.3 -142.6,10.3 -144.8,12.5 -149.1,12.5 -149.8,11.8 -149.8,-0.2 -155.3,-5.7
P12V0 on Layer 1 "P12V0_L04_P251" (solid, remove dead copper, pour order 251): -128.4,23.4 -128.1,23.7 -124.3,23.7 -114.8,14.2 -114.8,-15.3 -115.8,-16.3 -125.3,-16.3 -128.2,-13.4 -128.2,-7.3 -127.5,-6.6 -122.4,-6.6 -120.85,-5.05 -120.85,8.35 -122.3,9.8 -125.2,9.8 -125.9,10.5 -125.9,16.6 -128.4,19.1
P12V0 on Layer 1 "P12V0_L04_P250" (solid, remove dead copper, pour order 250): -72.7,40.1 -71.4,38.8 -61.8,38.8 -60.5,40.1 -60.5,42.7 -70.8,53 -70.8,70.1 -71.6,70.9 -81.9,70.9 -83.1,69.7 -83.1,55.1 -72.7,44.7
NetC264_1 on Layer 1 "NETC264_1_L04_P245" (solid, remove dead copper, pour order 245): 12.4,41.2 -2.9,41.2 -7.2,45.5 -7.2,67.1 -6,68.3 3.3,68.3 4.3,67.3 4.3,54.5 5.9,52.9 11.8,52.9 13.1,51.6 13.1,41.9
P12V0 on Layer 1 "P12V0_L04_P243" (solid, remove dead copper, pour order 243): 3.5,3.9 3.9,3.5 3.9,-0.7 3.3,-1.3 -23.2,-1.3 -26.2,1.7 -26.2,57.6 -25.9,57.9 -18.3,57.9 -17.9,57.5 -17.9,39.7 -20.2,37.4 -20.2,4.4 -19.7,3.9
P12V0_DIOT on Layer 1 "SignalLayer1-P12V0_DIOT" (solid, remove dead copper, pour order 242): -14.4,-14.1 -4.8,-23.7 23.4,-23.7 23.7,-23.4 23.7,-21.3 23.3,-20.9 0.9,-20.9 0,-21.8 -3.5,-21.8 -11.9,-13.4 -11.9,-12.1 -12.2,-11.8 -16.4,-11.8 -16.55,-11.95 -16.7,-12.1 -16.7,-13.8 -16.4,-14.1
P3V3_MP on MidLayer2 "P3V3_MP_L03_P306" (solid, remove dead copper, pour order 306): -68.2,60 -68.4,59.8 -68.4,58.6 -68.1,58.3 -60.8,58.3 -56.9,62.2 -48.9,62.2 -46.4,59.7 -46.4,35.7 -45.8,35.1 -31.9,35.1 -31.6,35.4 -31.6,36.9 -32.1,37.4 -43,37.4 -43.7,38.1 -43.7,59.8 -47.3,63.4 -59.7,63.4 -63.1,60 -66.5,60
P3V3_MP on MidLayer2 "P3V3_MP_L03_P304" (solid, remove dead copper, pour order 304): -119.8,5.3 -119.8,4.4 -119.5,4.1 -82.9,4.1 -81.6,2.8 -81.6,-9.8 -82.4,-10.6 -111.4,-10.6 -112.2,-11.4 -112.2,-17.1 -111.7,-17.6 -72.4,-17.6 -71.6,-16.8 -71.6,-7.5 -69.8,-5.7 -66.2,-5.7 -64.9,-7 -64.9,-11.9 -64.6,-12.2 -49.6,-12.2 -47,-14.8 -17.4,-14.8 -17.2,-14.6 -17.2,-11.1 -16.6,-10.5 -2.9,-10.5 -2.4,-10 -2.4,-3.9 -1.5,-3 2.6,-3 4,-1.6 4,0.6 3.2,1.4 1.8,1.4 1.2,0.8 1.2,-0.8 0.7,-1.3 -14,-1.3 -15.4,-2.7 -70,-2.7 -71.9,-0.8 -79.7,-0.8 -80.1,-0.4 -80.1,4.7 -81.1,5.7 -119.4,5.7
P3V3_DIOT on MidLayer2 "P3V3_DIOT_L03_P303" (solid, remove dead copper, pour order 303): -70.9,-13.3 -70.9,-19.2 -70.1,-20 -45.3,-20 -44.3,-19 -44.3,-17.9 -49.7,-12.5 -64.8,-12.5 -65.5,-11.8 -65.5,-7.2 -66.4,-6.3 -69.4,-6.3 -70.9,-7.8
P3V3 on MidLayer2 "P3V3_L03_P299" (solid, remove dead copper, pour order 299): -171.8,55 -171.8,52.6 -168.6,49.4 -159,49.4 -144.6,35 -144.6,10.9 -146.7,8.8 -151.4,8.8 -158.4,15.8 -169.9,15.8 -170.7,15 -170.7,11.7 -169.3,10.3 -161,10.3 -156,5.3 -139.3,5.3 -137.6,3.6 -137.6,-5.7 -133,-10.3 -82.6,-10.3 -81.8,-9.5 -81.8,2.7 -83,3.9 -120,3.9 -121.7,5.6 -121.7,12.1 -120.6,13.2 -89.2,13.2 -74.7,27.7 -48.6,27.7 -47.1,29.2 -47.1,59.6 -49.245,61.745 -56.555,61.745 -60.7,57.6 -89.5,57.6 -100.8,68.9 -123.5,68.9 -124.9,67.5 -124.9,62.5 -124.4,62 -101.1,62 -100.3,61.2 -100.3,59.6 -101.2,58.7 -119.4,58.7 -121.8,56.3 -121.8,52.9 -117.6,48.7 -117.6,45 -112.5,39.9 -94.4,39.9 -93.4,40.9 -89.7,40.9 -88.4,39.6 -88.4,37.8 -89.3,36.9 -120.4,36.9 -122.6,34.7 -125.6,34.7 -137.3,46.4 -150.6,46.4 -159.4,55.2 -171.6,55.2
P5V0_ISO2 on MidLayer2 "P5V0_ISO2_L03_P273" (solid, remove dead copper, pour order 273): -146.5,-18.3 -145.9,-18.9 -145.9,-20.3 -146.5,-20.9 -149.6,-20.9 -153.4,-17.1 -165.3,-17.1 -168.2,-20 -179.5,-20 -182.8,-16.7 -182.8,-0.4 -185.9,2.7 -185.9,4.7 -186.5,5.3 -187.8,5.3 -188.5,4.6 -188.5,3.5 -189,3 -190.6,3 -191,3.4 -191,12.253 -189.703,13.55 -182.95,13.55 -182.2,14.3 -182.2,16.7 -181.7,17.2 -179.3,17.2 -172.2,10.1 -161.3,10.1 -160.8,9.6 -160.8,-2 -165.4,-6.6 -165.4,-11.3 -164.6,-12.1 -155.4,-12.1 -149.2,-18.3
P5V0_ISO1 on MidLayer2 "MidLayer2-P5V0_ISO1" (solid, remove dead copper, pour order 272): -147.9,9.9 -146.6,11.2 -146.6,34.5 -160.7,48.6 -169,48.6 -178.95,58.55 -181.778,58.55 -182.5,57.828 -182.5,54.8 -183.375,53.925 -189.998,53.925 -191,52.923 -191,44.2 -190.7,43.9 -189.2,43.9 -188.6,44.5 -188.6,45.7 -187.9,46.4 -186.8,46.4 -185.9,45.5 -185.9,39.7 -182.5,36.3 -154.7,36.3 -150.8,32.4 -150.8,11.4 -149.3,9.9
P5V0_ISO4 on MidLayer2 "P5V0_ISO4_L03_P268" (solid, remove dead copper, pour order 268): -101.2,61.5 -100.7,61 -100.7,59.8 -101.3,59.2 -112.7,59.2 -113,58.9 -119.6,58.9 -126.3,52.2 -130.4,52.2 -141.4,63.2 -153.1,63.2 -154.5,64.6 -154.5,69.8 -154,70.3 -150.1,70.3 -149.5,69.7 -149.5,65.9 -149,65.4 -137.6,65.4 -131.6,59.4 -127.6,59.4 -125.5,61.5
P5V0_ISO3 on MidLayer2 "P5V0_ISO3_L03_P267" (solid, remove dead copper, pour order 267): -90.4,37.5 -121.3,37.5 -123.2,35.6 -124.9,35.6 -147.3,58 -158.9,58 -162.2,61.3 -162.2,69.7 -161.5,70.4 -157.8,70.4 -157.2,69.8 -157.2,63.3 -156.1,62.2 -145.3,62.2 -132.3,49.2 -124.4,49.2 -114.5,39.3 -93.8,39.3 -93,40.1 -90.2,40.1 -89.7,39.6 -89.7,38.2
P12V0 on MidLayer2 "P12V0_L03_P253" (solid, remove dead copper, pour order 253): -20.6,23.9 -20.2,23.5 -20.2,16.6 -21.3,15.5 -71.4,15.5 -81,5.9 -120.4,5.9 -120.8,6.3 -120.8,11.4 -120.3,11.9 -97.5,11.9 -95.9,10.3 -86.2,10.3 -72.6,23.9 -22.2,23.9
P12V0 on MidLayer2 "P12V0_L03_P252" (solid, remove dead copper, pour order 252): -81.5,67.3 -83.1,65.7 -83.1,61.6 -82.7,61.2 -63.6,61.2 -60.5,64.3 -45.4,64.3 -37.5,56.4 -16.8,56.4 -16,57.2 -16,61.6 -16.4,62 -37.9,62 -43.2,67.3
NetC264_2 on MidLayer2 "NETC264_2_L03_P246" (solid, remove dead copper, pour order 246): 12.4,41.2 -2.9,41.2 -7.2,45.5 -7.2,67.1 -6,68.3 3.3,68.3 4.3,67.3 4.3,54.5 5.9,52.9 11.8,52.9 13.1,51.6 13.1,41.9
P12V0_DIOT on MidLayer2 "P12V0_DIOT_L03_P244" (solid, remove dead copper, pour order 244): 10.1,3.8 9.4,4.5 7.8,4.5 7.3,4 7.3,-5.6 1.8,-11.1 -16.3,-11.1 -16.7,-11.5 -16.7,-13.6 -16.2,-14.1 3.3,-14.1 10.1,-7.3
GND on MidLayer1 "GND_L02_P302" (solid, remove dead copper, pour order 302): -195.343,70.863 -176.263,70.863 -175.1,69.7 -175.1,66.2 -174,65.1 -156.3,65.1 -154.7,63.5 -146,63.5 -132.8,50.3 -130.7,50.3 -130.2,49.8 -130.2,40.7 -127.1,37.6 -113.1,37.6 -110.5,35 -79.3,35 -73.7,40.6 -73.7,49.4 -74.5,50.2 -91.6,50.2 -101.9,39.9 -118.7,39.9 -119.3,40.5 -119.3,50.7 -120.8,52.2 -124.6,52.2 -125.1,52.7 -125.1,66.8 -123.6,68.3 -106.9,68.3 -105,66.4 -105,59.4 -103.6,58 -103.6,57.3 -102.9,56.6 -85.9,56.6 -83.8,58.7 -83.8,70.9 24.619,70.9 24.696,70.823 24.696,-24.047 -188.647,-24.047 -188.7,-24.1 -188.7,-18.4 -188.2,-17.9 -186.6,-17.9 -183.3,-21.2 -134.4,-21.2 -128.1,-14.9 -128.1,-8.5 -130.5,-6.1 -137.8,-6.1 -138.4,-5.5 -138.4,6.1 -139.1,6.8 -146.6,6.8 -146.9,7.1 -146.9,9.1 -146.3,9.7 -131.4,9.7 -128,13.1 -128,17.9 -129.5,19.4 -129.5,23.3 -130.5,24.3 -140.1,24.3 -140.6,24.8 -140.6,36.8 -145.3,41.5 -150.2,41.5 -154,45.3 -154,53.2 -157,56.2 -159.4,56.2 -162.2,59 -170.5,59 -176.8,65.3 -195.336,65.3 -195.343,65.307
GND_ISO4 on MidLayer1 "MidLayer1-GND_ISO4" (solid, remove dead copper, pour order 295): -103.3,57.3 -102.8,56.8 -86.5,56.8 -84.4,58.9 -84.4,70.8 -85,71.4 -130,71.4 -130.7,70.7 -157.1,70.7 -157.1,68.2 -156.8,67.9 -155.1,67.9 -154.5,67.3 -154.5,64.4 -154,63.9 -145,63.9 -132.7,51.6 -127.3,51.6 -126.6,52.3 -126.6,66.8 -124.8,68.6 -106.4,68.6 -104.6,66.8 -104.6,59.5 -103.3,58.2
GND_ISO3 on MidLayer1 "GND_ISO3_L02_P290" (solid, remove dead copper, pour order 290): -74.2,49 -74.2,40.8 -79.6,35.4 -110.4,35.4 -113,38 -126.8,38 -129.6,40.8 -129.6,50.1 -128.4,51.3 -121.8,51.3 -120.7,50.2 -120.7,40.5 -119.7,39.5 -101.3,39.5 -91.3,49.5 -74.7,49.5
GND_ISO1 on MidLayer1 "GND_ISO1_L02_P288" (solid, remove dead copper, pour order 288): -128.5,13.2 -131.6,10.1 -146.4,10.1 -149.6,6.9 -149.6,-0.6 -155,-6 -155,-10.4 -156.1,-11.5 -165.1,-11.5 -165.6,-11 -165.6,0.7 -159.7,6.6 -159.7,18.2 -166.6,25.1 -197.669,25.1 -197.673,25.104 -197.673,61.745 -194.518,64.9 -177.1,64.9 -170.7,58.5 -162.6,58.5 -159.8,55.7 -157.4,55.7 -154.6,52.9 -154.6,45.1 -150.5,41 -145.9,41 -142.1,37.2 -142.1,24.7 -141.4,24 -130.7,24 -130,23.3 -130,19.2 -128.5,17.7
GND_ISO2 on MidLayer1 "MidLayer1-GND_ISO2" (solid, remove dead copper, pour order 287): -133.8,-19.7 -128.7,-14.6 -128.7,-8.4 -130.7,-6.4 -138.4,-6.4 -139.3,-5.5 -139.3,6 -139.8,6.5 -147,6.5 -149,4.5 -149,-1.1 -154.6,-6.7 -154.6,-11 -155.8,-12.2 -165.6,-12.2 -166.2,-11.6 -166.2,0.9 -160.3,6.8 -160.3,17.9 -166.87,24.47 -197.673,24.47 -197.673,-17.3 -186.3,-17.3 -182.8,-20.8 -144,-20.8 -142.9,-19.7
GND on Layer 2 "GND_L05_P301" (solid, remove dead copper, pour order 301): -124.6,68.4 -126.2,66.8 -126.2,52.5 -125.4,51.7 -121.2,51.7 -120.1,50.6 -120.1,40 -121.2,38.9 -128.9,38.9 -131.9,41.9 -139.3,41.9 -141.6,39.6 -141.6,25.7 -140.4,24.5 -130.6,24.5 -129.9,23.8 -129.9,21.9 -128.3,20.3 -128.3,14.7 -137.7,5.3 -137.7,-4.2 -136.6,-5.3 -130.9,-5.3 -128.1,-8.1 -128.1,-23.5 -127.4,-24.2 24.041,-24.2 24.696,-23.545 24.696,71.5 22.696,73.5 -82.8,73.5 -83.7,72.6 -83.7,58.5 -86,56.2 -102.5,56.2 -103.7,57.4 -103.7,58 -104.9,59.2 -104.9,66.8 -106.5,68.4
GND_ISO4 on Layer 2 "Layer 2-GND_ISO4" (solid, remove dead copper, pour order 294): -103.3,57.3 -102.8,56.8 -86.5,56.8 -84.4,58.9 -84.4,70.8 -85,71.4 -130,71.4 -130.7,70.7 -157.1,70.7 -157.1,68.2 -156.8,67.9 -155.1,67.9 -154.5,67.3 -154.5,64.4 -154,63.9 -145,63.9 -132.7,51.6 -127.3,51.6 -126.6,52.3 -126.6,66.8 -124.8,68.6 -106.4,68.6 -104.6,66.8 -104.6,59.5 -103.3,58.2
GND_ISO3 on Layer 2 "GND_ISO3_L05_P291" (solid, remove dead copper, pour order 291): -121.8,51.3 -120.7,50.2 -120.7,40.4 -121.7,39.4 -128.2,39.4 -131.2,42.4 -150.6,42.4 -153.7,45.5 -153.7,51 -161.5,58.8 -172.4,58.8 -173.5,59.9 -173.5,62.1 -176.1,64.7 -176.1,70.6 -175.2,71.5 -158.2,71.5 -157.5,70.8 -157.5,68.1 -156.9,67.5 -155.7,67.5 -155,66.8 -155,64.2 -154.2,63.4 -145,63.4 -132.9,51.3 -128.4,51.3
GND_ISO1 on Layer 2 "GND_ISO1_L05_P289" (solid, remove dead copper, pour order 289): -128.8,14.7 -135.5,8 -147.6,8 -165.1,25.5 -197.638,25.5 -197.673,25.535 -197.673,61.745 -195.343,64.075 -176.075,64.075 -174.1,62.1 -174.1,59.9 -172.4,58.2 -161.7,58.2 -154.2,50.7 -154.2,44.9 -150.9,41.6 -145,41.6 -142,38.6 -142,25 -141.1,24.1 -130.8,24.1 -130.3,23.6 -130.3,21.5 -128.8,20
GND_ISO2 on Layer 2 "GND_ISO2_L05_P285" (solid, remove dead copper, pour order 285): -128.7,-13.6 -128.7,-14.6 -133.8,-19.7 -142.9,-19.7 -144,-20.8 -182.8,-20.8 -186.3,-17.3 -197.673,-17.3 -197.673,24.47 -165.17,24.47 -147.2,6.5 -139.8,6.5 -139.3,6 -139.3,-5.5 -138.4,-6.4 -130.7,-6.4 -128.7,-8.4

## Keep-outs
Keep-Out Layer:
  drawing of 8336 lines, arcs and shapes, not listed

## Silkscreen, mask and mechanical layers (free items; w line width, h text height)
TopOverlay:
  drawing of 1237 lines, arcs and shapes, not listed
  text "P12V0" at -75,70.6 h0.6
  text "EEM 1" at -19.06,41.223 h1
  text "EEM 0" at -0.56,41.223 h1
  text "WUT ISE 2021" at 6.627,29.05 h1.02
  text "DIOT SMA16 v1.0" at -69.9,28.3 h1.6
  text "Licensed under CERN-OHL-W v2 or later / https://ohwr.org/cernohl / https://github.com/sinara-hw/EEM_FMC_Carrier" at -85.4,17.1 h1.2
  text "Designed by Agnieszka Bartkowicz" at -30.9,-23.5 h0.8
Board Layer Stack Bottom Overlay:
  drawing of 1234 lines, arcs and shapes, not listed
  text "DIOT SMA16 v1.0" at -103.876,70.2 h1.5
  text "WUT ISE 2021" at 17.877,29.05 h1.02
TopSolder:
  rectangle: -194.152,-25.897 -191.975,-24.1
  rectangle: -191.975,-25.897 -189.798,-24.125
  rectangle: -190.325,-25.897 24.644,-24.1
  region: 10.694,25.255 10.694,21.755 24.657,21.755 24.657,25.255
Board Layer Stack Bottom Solder:
  rectangle: -194.152,-25.897 -191.975,-24.1
  rectangle: -191.975,-25.897 -189.798,-24.125
  rectangle: -190.406,-25.897 24.644,-24.1
  region: 10.694,25.255 10.694,21.755 24.657,21.755 24.657,25.255
Mechanical 1:
  drawing of 463 lines, arcs and shapes, not listed
  text "Layer" at -139.893,111.328 h0.76
  text "Name" at -134.434,111.328 h0.76
  text "Material" at -108.787,111.328 h0.76
  text "Thickness" at -97.614,111.328 h0.76
  text "Constant" at -89.107,111.328 h0.76
  text "Board Layer Stack" at -81.616,111.328 h0.76
  text "TopOverlay" at -134.434,109.804 h0.76
  text "TopSolder" at -134.434,108.28 h0.76
  text "Solder Resist" at -108.787,108.28 h0.76
  text "0,022mm" at -97.614,108.28 h0.76
  text "3.5" at -89.107,108.28 h0.76
  text "1" at -139.893,106.756 h0.76
  text "TopLayer" at -134.434,106.756 h0.76
  text "0,035mm" at -97.614,106.756 h0.76
  text "Dielectric1" at -134.434,105.232 h0.76
  text "FR-4" at -108.787,105.232 h0.76
  text "0,116mm" at -97.614,105.232 h0.76
  text "4.4" at -89.107,105.232 h0.76
  text "2" at -139.893,103.708 h0.76
  text "MidLayer1" at -134.434,103.708 h0.76
  text "0,015mm" at -97.614,103.708 h0.76
  text "Dielectric2" at -134.434,102.184 h0.76
  text "FR-4" at -108.787,102.184 h0.76
  text "0,130mm" at -97.614,102.184 h0.76
  text "4.2" at -89.107,102.184 h0.76
  text "3" at -139.893,100.66 h0.76
  text "MidLayer2" at -134.434,100.66 h0.76
  text "0,015mm" at -97.614,100.66 h0.76
  text "Dielectric 1" at -134.434,99.136 h0.76
  text "PP-016" at -108.787,99.136 h0.76
  text "0,116mm" at -97.614,99.136 h0.76
  text "4.4" at -89.107,99.136 h0.76
  text "Dielectric3" at -134.434,97.612 h0.76
  text "FR-4" at -108.787,97.612 h0.76
  text "0,700mm" at -97.614,97.612 h0.76
  text "4.2" at -89.107,97.612 h0.76
  text "Dielectric 2" at -134.434,96.088 h0.76
  text "PP-016" at -108.787,96.088 h0.76
  text "0,116mm" at -97.614,96.088 h0.76
  text "4.4" at -89.107,96.088 h0.76
  text "4" at -139.893,94.564 h0.76
  text "Layer 1" at -134.434,94.564 h0.76
  text "0,015mm" at -97.614,94.564 h0.76
  text "Dielectric 3" at -134.434,93.04 h0.76
  text "FR-4" at -108.787,93.04 h0.76
  text "0,130mm" at -97.614,93.04 h0.76
  text "4.2" at -89.107,93.04 h0.76
  text "5" at -139.893,91.516 h0.76
  text "Layer 2" at -134.434,91.516 h0.76
  text "0,015mm" at -97.614,91.516 h0.76
  text "Dielectric 4" at -134.434,89.992 h0.76
  text "FR-4" at -108.787,89.992 h0.76
  text "0,116mm" at -97.614,89.992 h0.76
  text "4.4" at -89.107,89.992 h0.76
  text "6" at -139.893,88.468 h0.76
  text "Bottom Layer" at -134.434,88.468 h0.76
  text "0,035mm" at -97.614,88.468 h0.76
  text "Board Layer Stack Bottom Solder" at -134.434,86.944 h0.76
  text "Solder Resist" at -108.787,86.944 h0.76
  text "0,022mm" at -97.614,86.944 h0.76
  text "3.5" at -89.107,86.944 h0.76
  text "Board Layer Stack Bottom Overlay" at -134.434,85.42 h0.76
Mechanical 2:
  lines w0.1: -197.887,-40.738 -197.887,81.944
Mechanical 13:
  lines w0.01: -198.125,-27.284 -198.125,54.424

## Text inside footprints (layer, text, board x,y; h text height)
IC19: Mechanical 14 "1" at -123.45,18.43 h1.5 r270; Mechanical 14 "6" at -136.183,18.557 h1.5 r270
IC20: Mechanical 14 "1" at -69.7,43.93 h1.5 r270; Mechanical 14 "6" at -82.433,44.057 h1.5 r270
IC23: Mechanical 14 "6" at -135.816,-11.918 h1.5 r270; Mechanical 14 "1" at -123.083,-12.045 h1.5 r270
IC24: Mechanical 14 "1" at -79.53,65.43 h1.5 r270; Mechanical 14 "6" at -92.263,65.557 h1.5 r270
J1: TopOverlay "30" at -138.698,70.447 h1.02; Mechanical 14 "30" at -138.698,70.447 h1.02
J6: TopOverlay "6" at 2.646,-12.35 h1 r90; TopOverlay "5" at 2.646,-14.35 h1 r90; TopOverlay "4" at 2.646,-16.35 h1 r90; TopOverlay "3" at 2.646,-18.35 h1 r90; TopOverlay "2" at 2.646,-20.35 h1 r90; TopOverlay "1" at 2.646,-22.35 h1 r90; TopOverlay "L" at 7.696,-24.2 h1 r90; TopOverlay "K" at 9.096,-24.2 h1 r90; TopOverlay "J" at 10.496,-24.2 h1 r90; TopOverlay "I" at 11.896,-23.95 h1 r90; TopOverlay "H" at 13.296,-24.2 h1 r90; TopOverlay "G" at 14.696,-24.2 h1 r90; TopOverlay "F" at 16.096,-24.2 h1 r90; TopOverlay "E" at 17.496,-24.2 h1 r90; TopOverlay "D" at 18.896,-24.2 h1 r90; TopOverlay "C" at 20.296,-25.2 h1 r90; TopOverlay "B" at 21.696,-25.2 h1 r90; TopOverlay "A" at 23.096,-25.2 h1 r90; Drill Drawing "Diam. 0.5mm +/-0.05" at 23.346,-8 h1 r180; Drill Drawing "PRESS-FIT TECHNOLOGY" at 23.346,-9.5 h1 r180; Mechanical 14 "6" at 2.646,-12.35 h1 r90; Mechanical 14 "5" at 2.646,-14.35 h1 r90; Mechanical 14 "4" at 2.646,-16.35 h1 r90; Mechanical 14 "3" at 2.646,-18.35 h1 r90; Mechanical 14 "2" at 2.646,-20.35 h1 r90; Mechanical 14 "1" at 2.646,-22.35 h1 r90; Mechanical 14 "L" at 7.696,-24.2 h1 r90; Mechanical 14 "K" at 9.096,-24.2 h1 r90; Mechanical 14 "J" at 10.496,-24.2 h1 r90; Mechanical 14 "I" at 11.896,-23.95 h1 r90; Mechanical 14 "H" at 13.296,-24.2 h1 r90; Mechanical 14 "G" at 14.696,-24.2 h1 r90; Mechanical 14 "F" at 16.096,-24.2 h1 r90; Mechanical 14 "E" at 17.496,-24.2 h1 r90; Mechanical 14 "D" at 18.896,-24.2 h1 r90; Mechanical 14 "C" at 20.296,-25.2 h1 r90; Mechanical 14 "B" at 21.696,-25.2 h1 r90; Mechanical 14 "A" at 23.096,-25.2 h1 r90; Mechanical 8 "Edge of Daugher Card" at 25.446,-20.225 h0.5 r90; Mechanical 8 "Top Surface of Mother Board" at 36.946,-21.375 h0.5 r90